# Altium PCB FMC_ADC_130M_16B_4CH.PcbDoc (part 1 of 8) (continued)
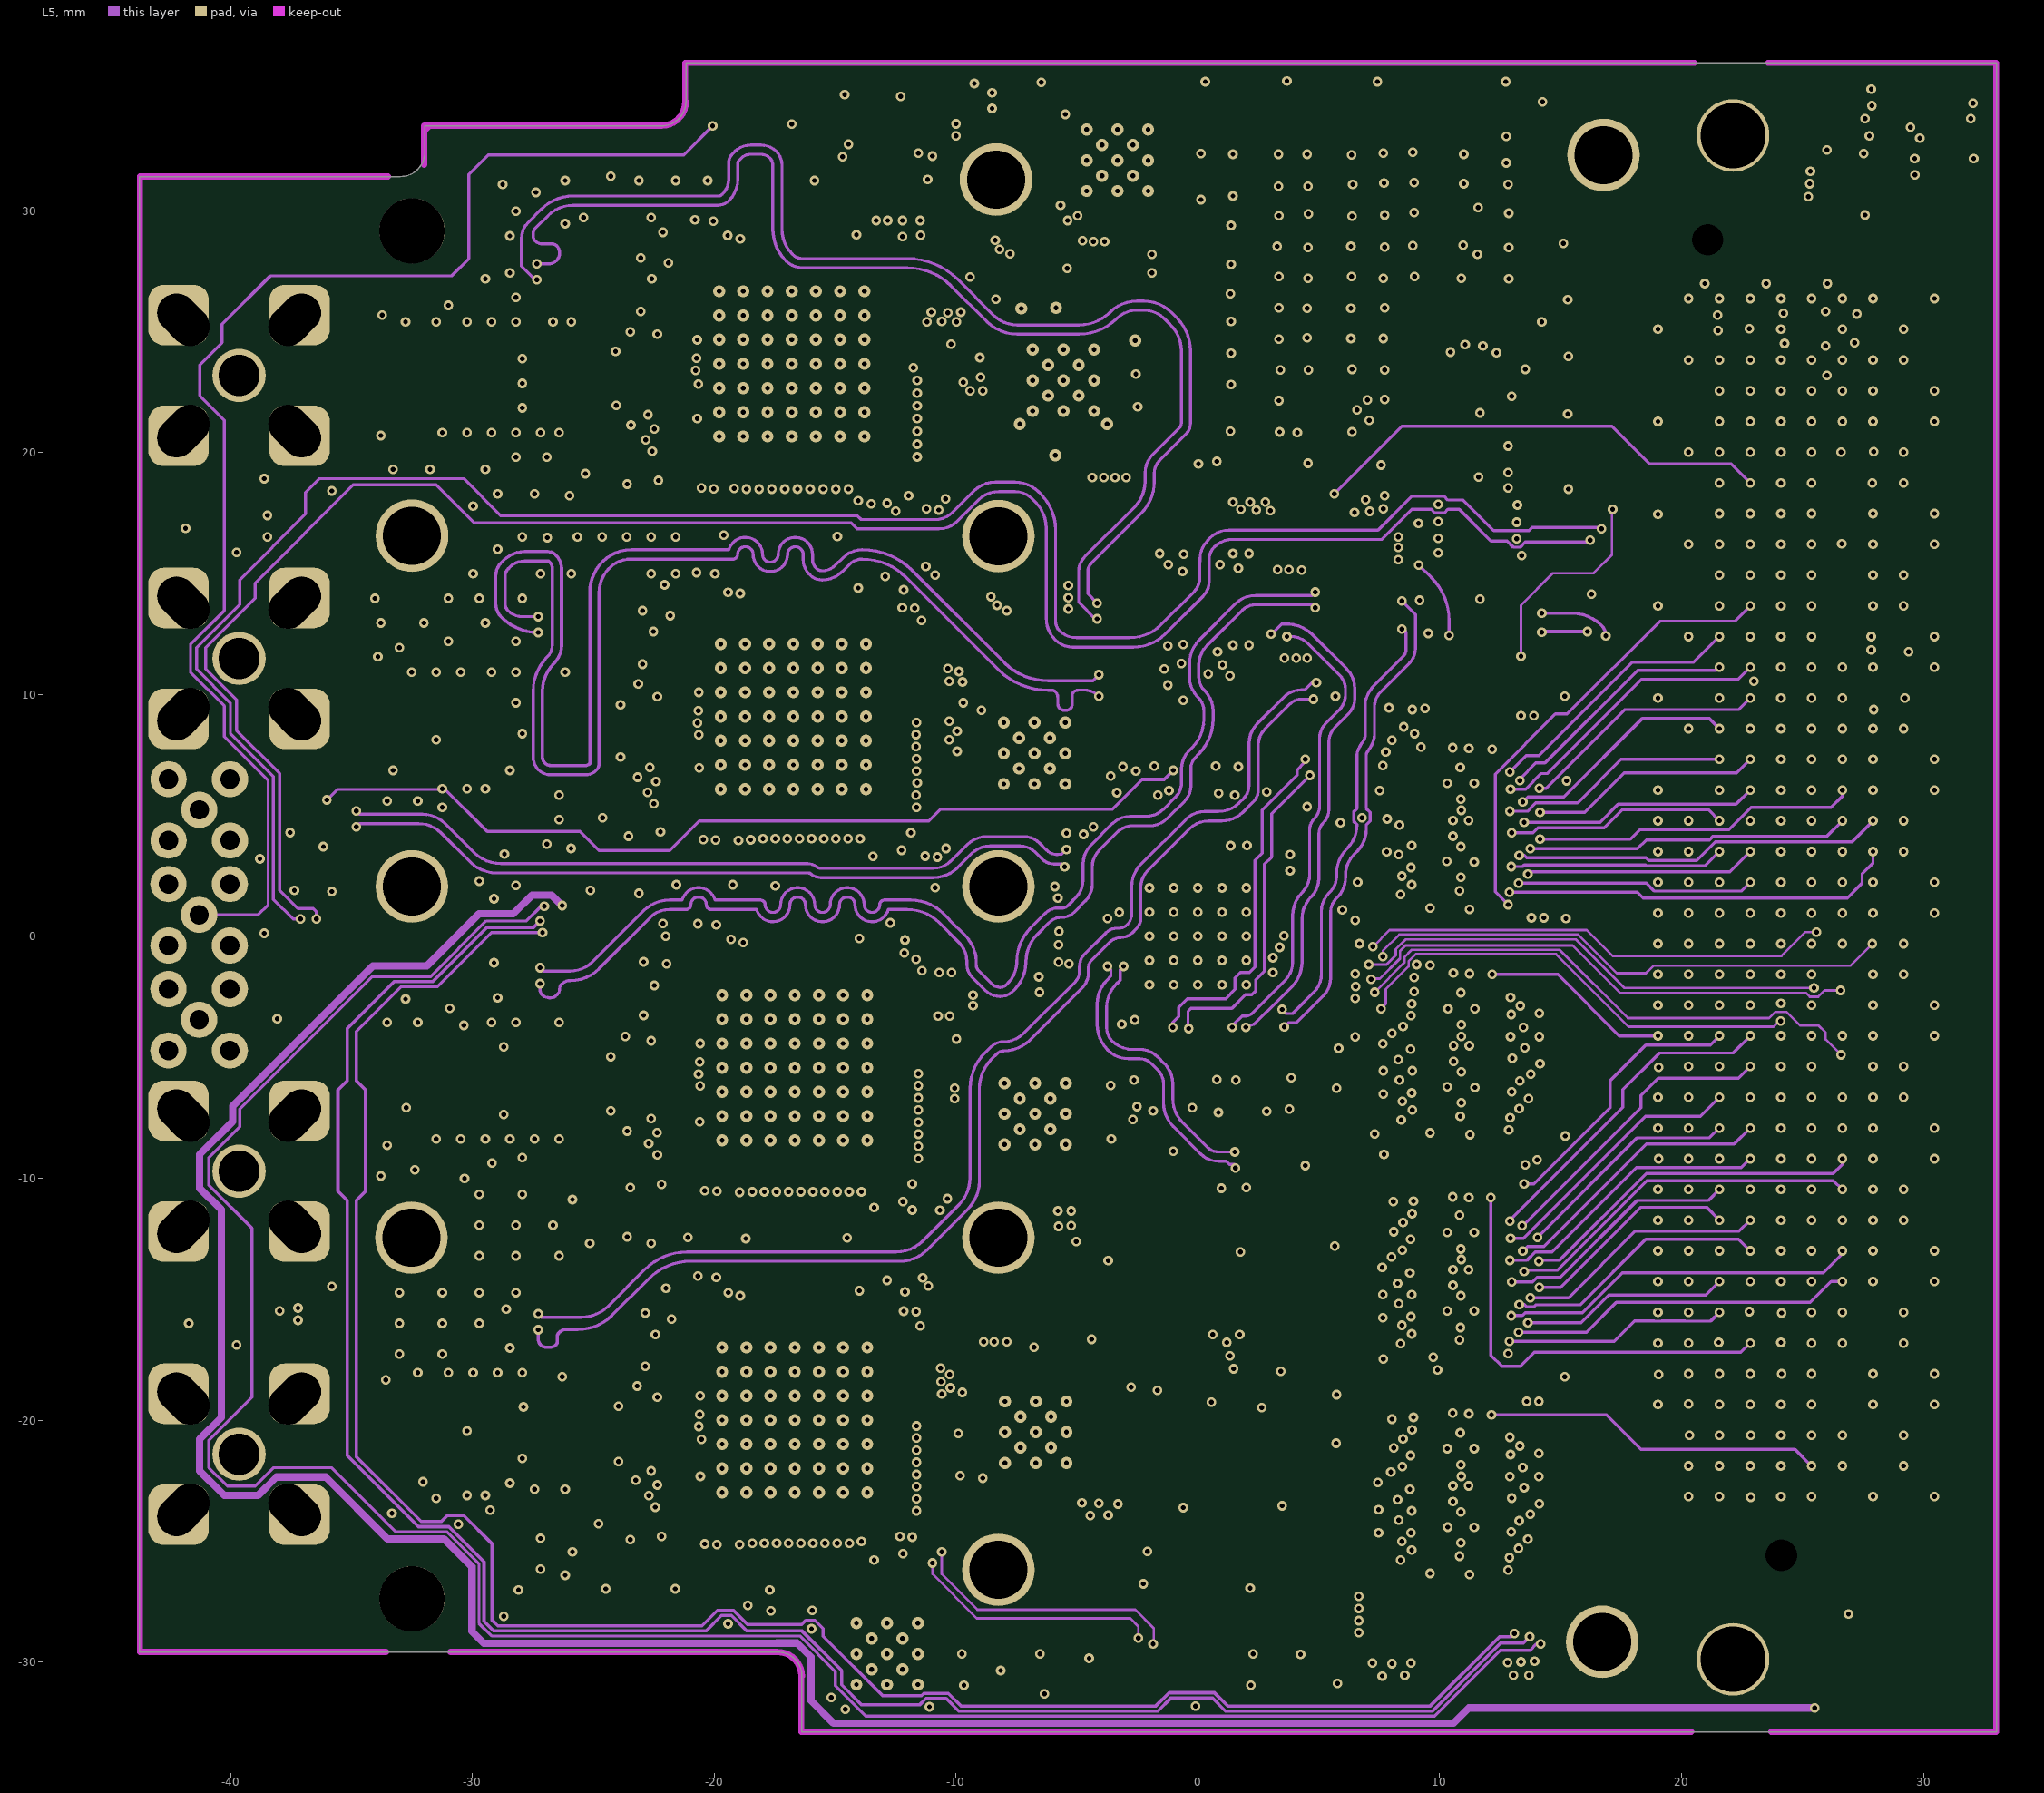
[diagram p5: L5]
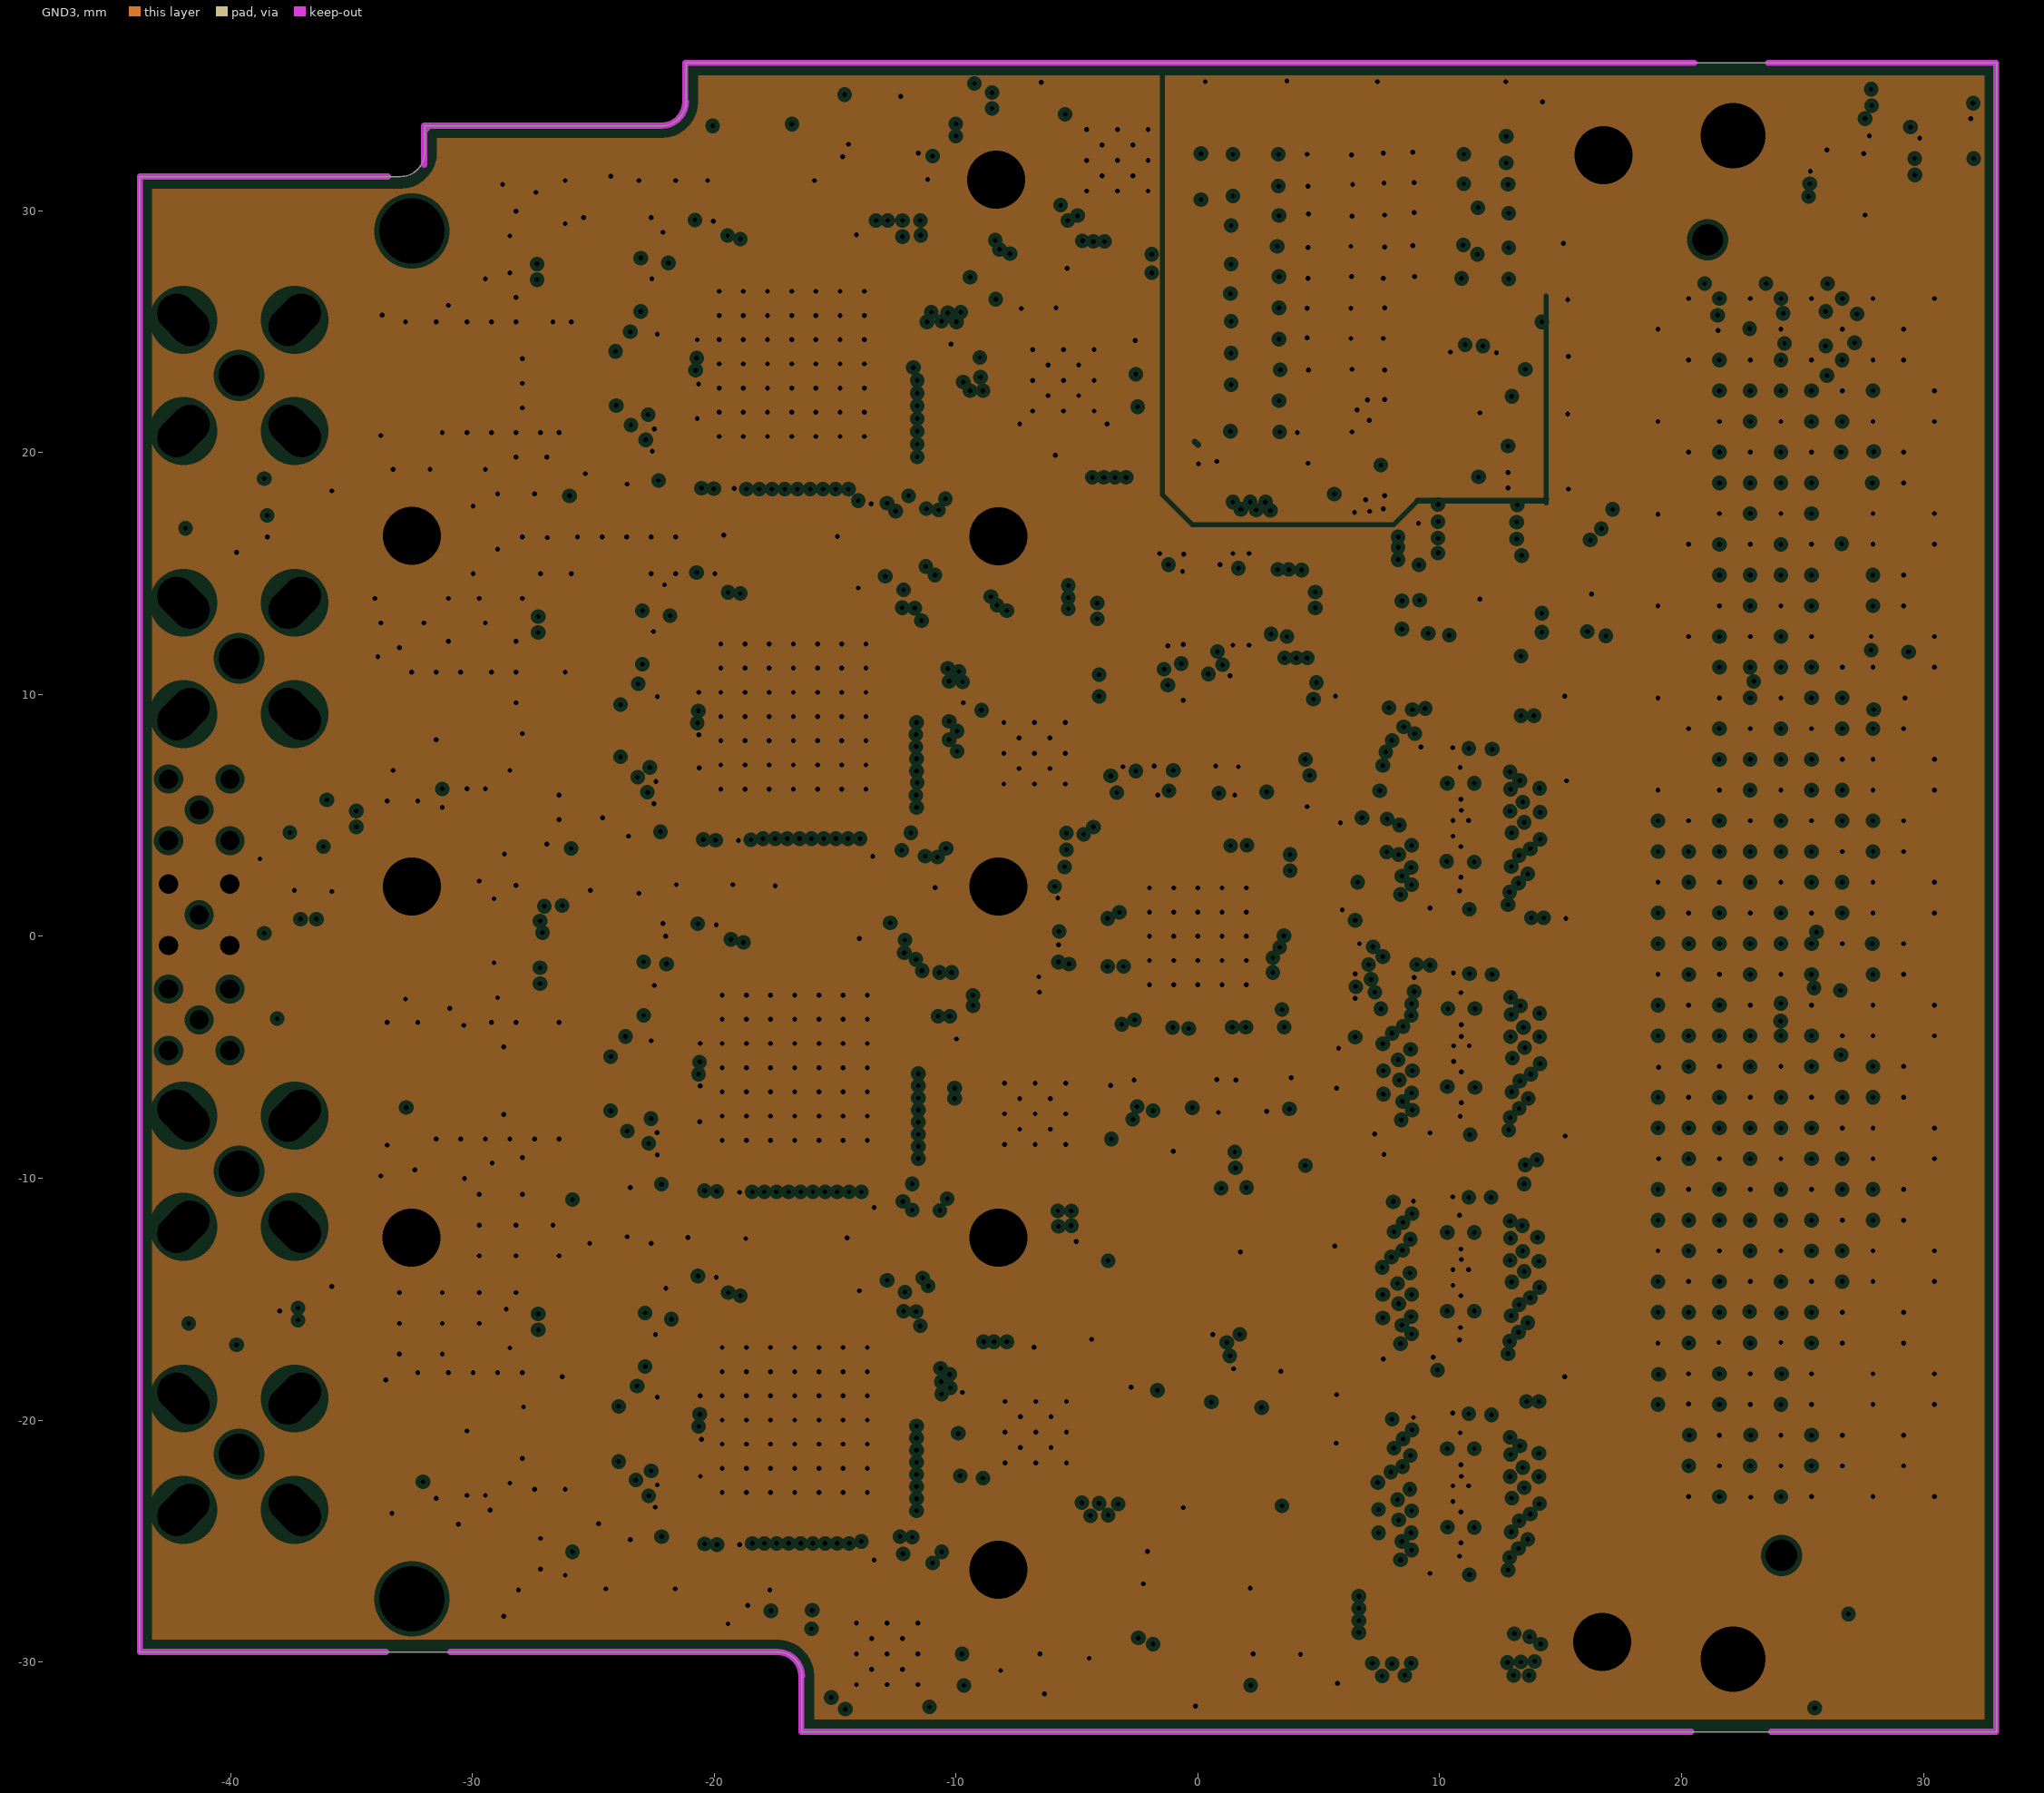
[diagram p6: GND3, clearances drawn from the general rule]
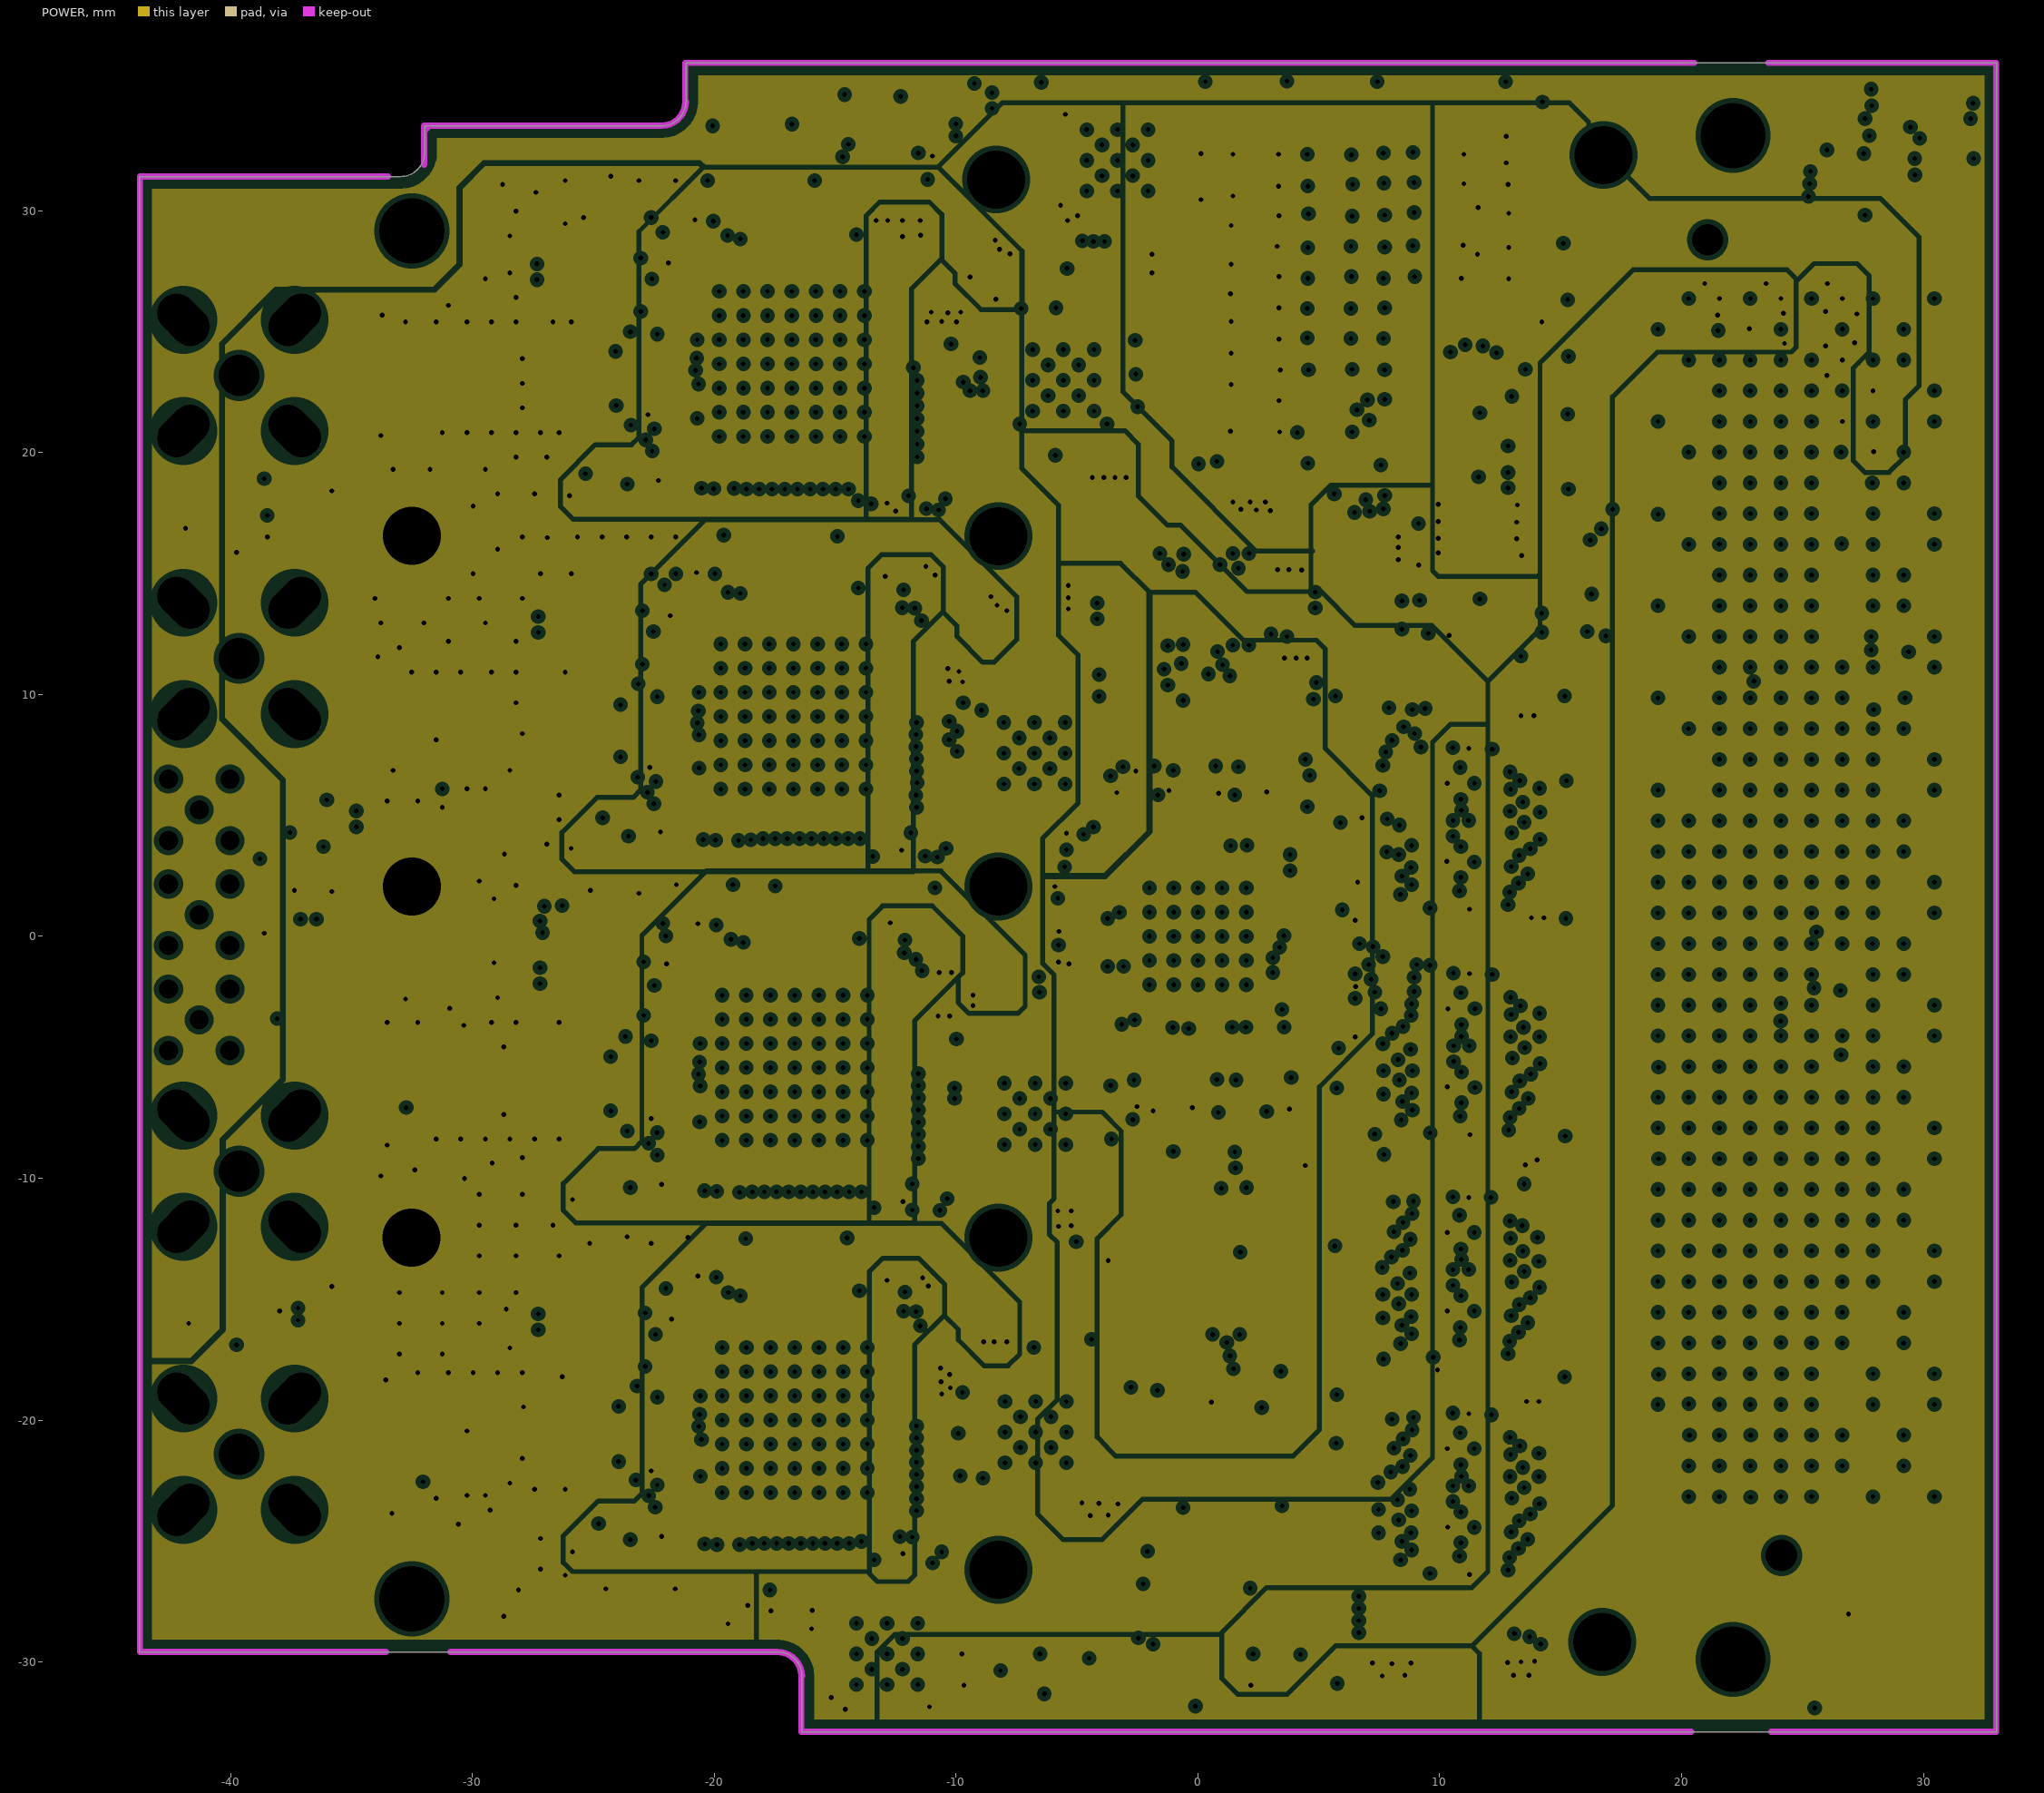
[diagram p7: POWER, clearances drawn from the general rule]
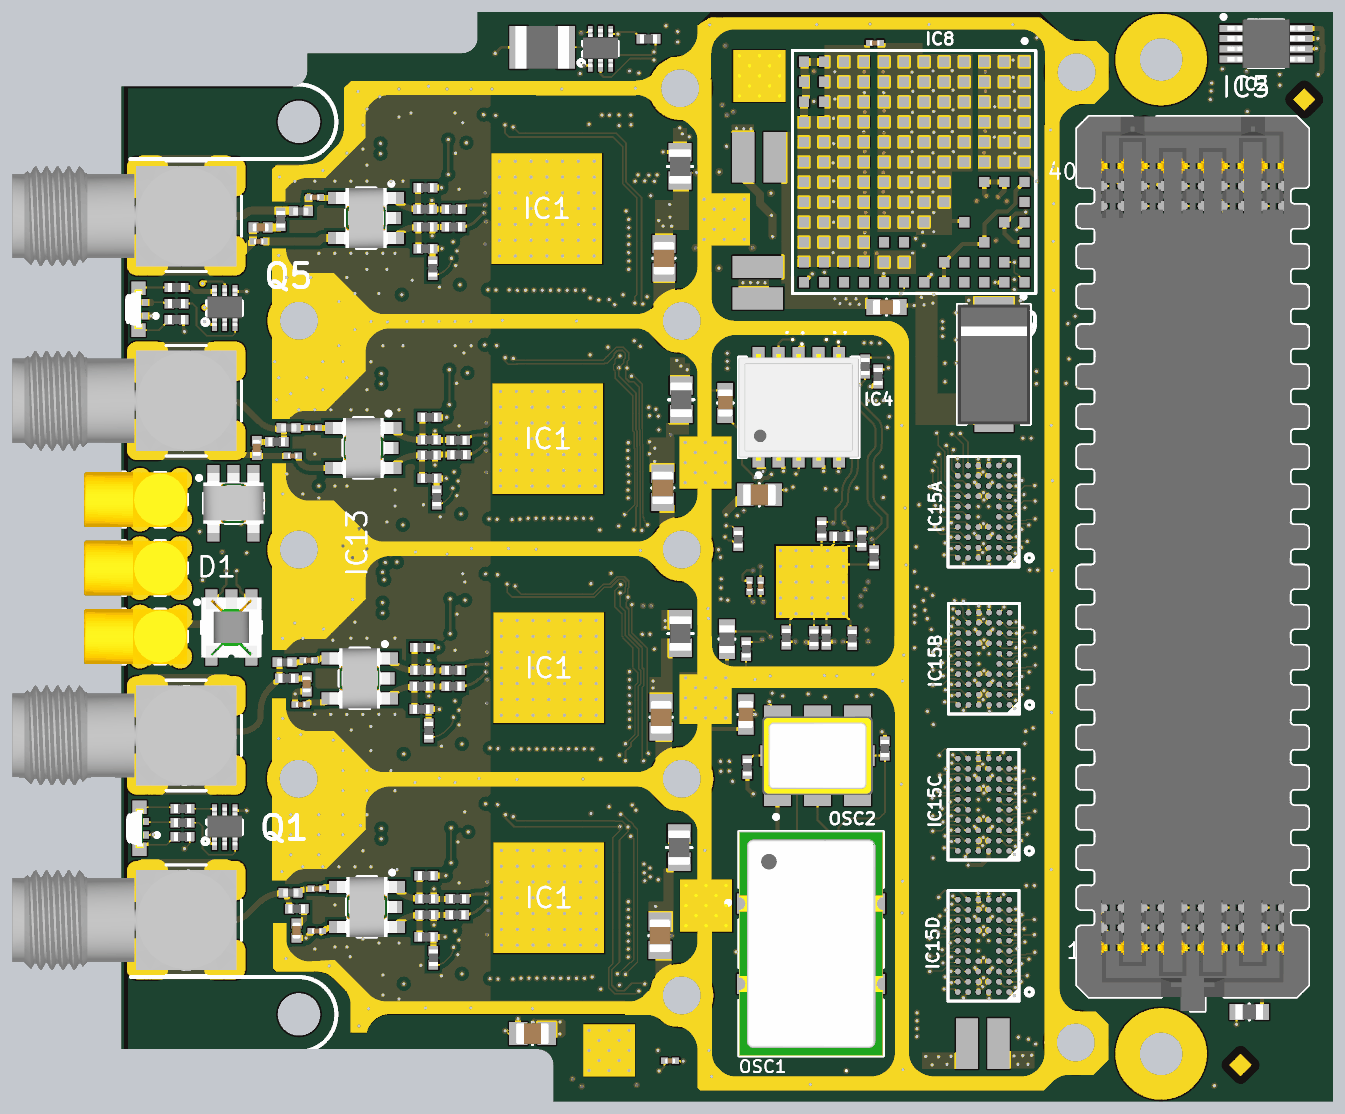
[diagram p15: 3D render of the assembled board from above, using the file's embedded part models]
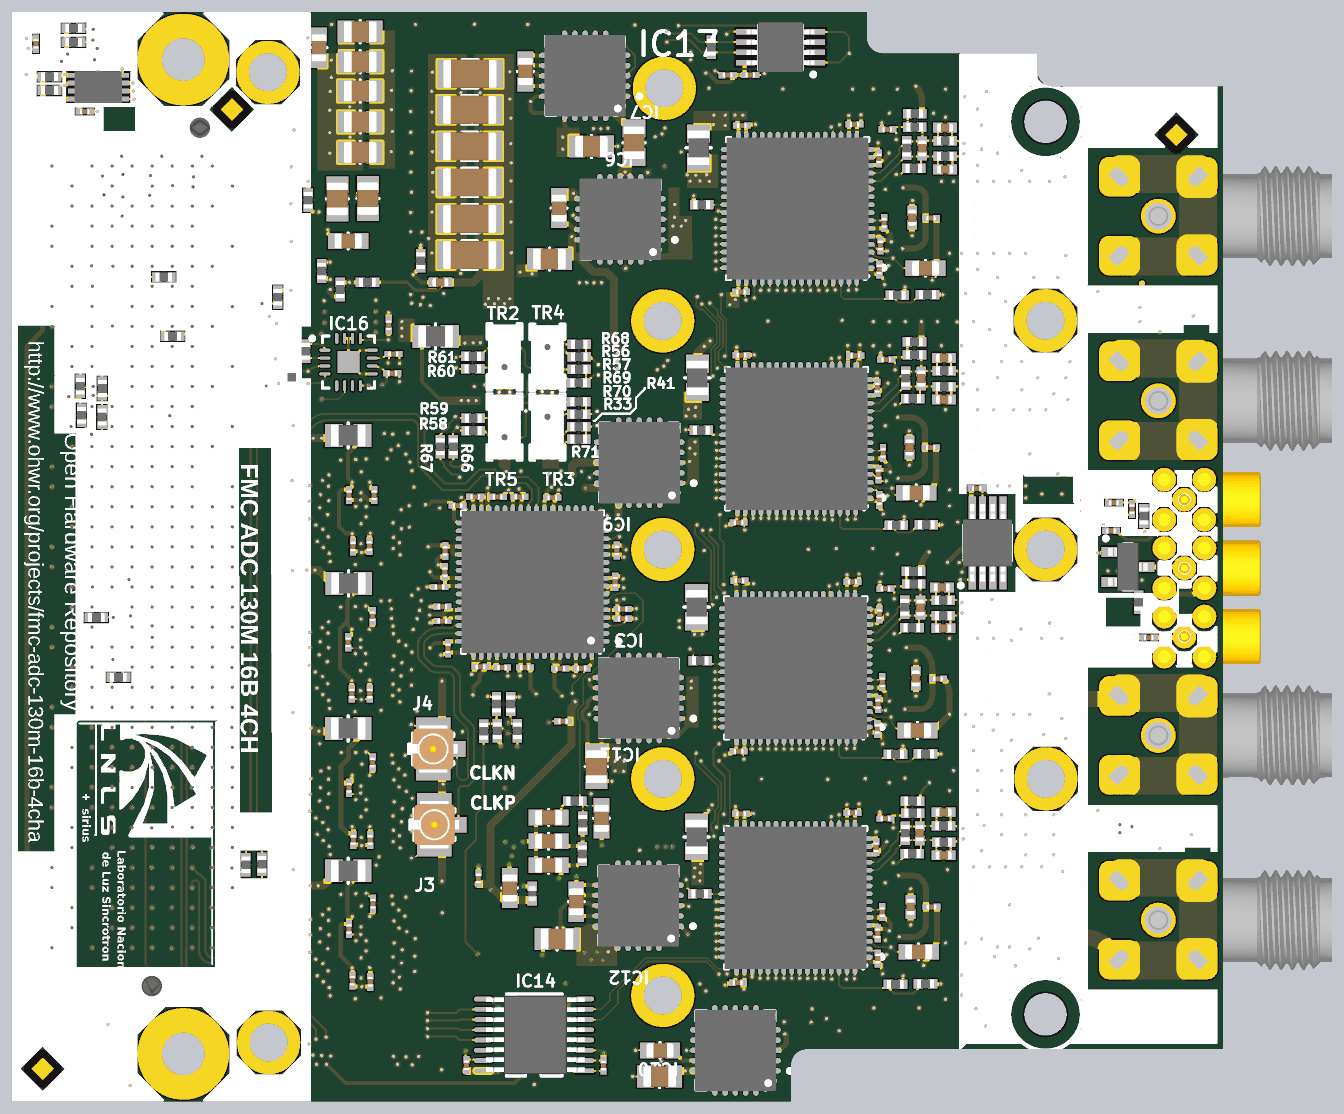
[diagram p16: 3D render of the assembled board from below, using the file's embedded part models]

## Layer stack, top to bottom
Top Layer: signal copper 0.035
Dielectric: prepreg 0.11, FR-4, Dk 4.8
GND1: plane copper 0.018, net GND
Dielectric: core 0.1, FR-4, Dk 4.8
L3: signal copper 0.018
Dielectric: prepreg 0.29, FR-4, Dk 4.8
GND2: plane copper 0.035, net GND
Dielectric: core 0.1, FR-4, Dk 4.8
L5: signal copper 0.035
Dielectric: prepreg 0.29, FR-4, Dk 4.8
GND3: plane copper 0.018, net GND
Dielectric: core 0.1, FR-4, Dk 4.8
POWER: plane copper 0.035, net (Multiple Nets)
Dielectric: prepreg 0.11, FR-4, Dk 4.8
Bottom Layer: signal copper 0.035

## Board outline
-43.756,-29.59 -43.756,31.41 -32.972,31.41 ccw(c-32.972,32.41) -31.972,32.41 -31.972,33.51 -22.172,33.51 ccw(c-22.172,34.51) -21.172,34.51 -21.172,36.11 33.028,36.11 33.028,-32.89 -16.372,-32.89 -16.372,-30.59 ccw(c-17.372,-30.59) -17.372,-29.59

## Design rules (kind name [scope] priority, off if disabled: settings)
AcuteAngle [All] p1: minimum=4.50000000000000E+0001 checktracksonly=FALSE
AssemblyTestPointUsage [All] p1 off:
AssemblyTestpoint [All] p1 off: testpointundercomponent=TRUE minsize=1.016 maxsize=2.54 preferedsize=1.524 minholesize=0 maxholesize=1.016 preferedholesize=0.813 testpointgrid=0.025 usegrid=TRUE gridtolerance=0 allowsidetop=TRUE allowsidebottom=TRUE
Clearance "Clearance_gnd l3" [(InNamedPolygon('gnd L3'))] p1: gap=0.381
Clearance "Clearance_poly gnd" [(InNamedPolygon('Top Layer-No Net') AND InNet('GND'))] p2: gap=0.254
Clearance Clearance_1 [InNet('EXT_CLK_IN') vs InNetClass('Power')] p3 off: gap=0.254
Clearance Clearance_trou [InNetClass('ADC_data') vs InNetClass('ADC_data')] p4 off: gap=0.102
Clearance [All] p5: gap=0.076
ComponentClearance NO_DRC [InComponentClass('NO_DRC')] p1 off: gap=0 collisioncheckmode=3 verticalgap=2540 showdistances=FALSE
ComponentClearance [All] p2 off: gap=0.025 collisioncheckmode=3 verticalgap=2540 showdistances=FALSE
DiffPairsRouting [All] p1: maxlimit=0.305 minlimit=0.203 mostfreqgap=0.254 maxuncoupledlength=15.24
FabricationTestPointUsage TestPointUsage [All] p1 off: valid=0 allowmultiple=FALSE
FabricationTestpoint Testpoint [All] p1 off: side=3 testpointundercomponent=TRUE minsize=1.016 maxsize=2.54 preferedsize=1.524 minholesize=0 maxholesize=1.016 preferedholesize=0.813 testpointgrid=0.025 allowsidetop=TRUE allowsidebottom=TRUE usegrid=TRUE gridtolerance=0
FanoutControl Fanout_BGA [IsBGA] p1 off: bgadir=Out bgaviamode=Centered fanoutstyle=Auto fanoutdirection=Alternating viagrid=0.025 // Fanout_BGA (Default Rule)
FanoutControl Fanout_LCC [IsLCC] p2 off: bgadir=Out bgaviamode=Centered fanoutstyle=Auto fanoutdirection=Alternating viagrid=0.025 // Fanout_LCC (Default Rule)
FanoutControl Fanout_SOIC [IsSOIC] p3 off: bgadir=Out bgaviamode=Centered fanoutstyle=Auto fanoutdirection=Alternating viagrid=0.025 // Fanout_SOIC (Default Rule)
FanoutControl Fanout_Small [(CompPinCount < 5)] p4 off: bgadir=Out bgaviamode=Centered fanoutstyle=Auto fanoutdirection=OutThenIn viagrid=0.025 // Fanout_Small (Default Rule)
FanoutControl Fanout_Default [All] p5 off: bgadir=Out bgaviamode=Centered fanoutstyle=Auto fanoutdirection=Alternating viagrid=0.025 // Fanout_Default (Default Rule)
Height Height_Top [OnTop] p1 off: minheight=0 maxheight=9.398 prefheight=8.89
Height Height_Bot [OnBottom] p2 off: minheight=0 maxheight=1.473 prefheight=1.321
HoleSize [All] p1: absolutevalues=TRUE maxlimit=25.4 minlimit=0.2 maxpercent=80.000 minpercent=20.000
HoleToHoleClearance [All] p1: gap=0.127 allowstackedmicrovias=TRUE
MinimumAnnularRing [All] p1: minimumring=0.1
MinimumSolderMaskSliver [All] p1 off: minsoldermaskwidth=0.025
PlaneClearance [All] p1: clearance=0.203
PlaneConnect Vias_Plane [IsVia] p1: planeconnectstyle=Direct reliefexpansion=0.508 reliefentries=4 reliefconductorwidth=0.254 reliefairgap=0.254
PlaneConnect [All] p2: planeconnectstyle=Relief reliefexpansion=0.203 reliefentries=4 reliefconductorwidth=0.254 reliefairgap=0.203
PolygonConnect Direc [InPadClass(Direc)] p1: connectstyle=Direct reliefconductorwidth=0.254 reliefentries=4 polygonreliefangle="90 Angle" airgapwidth=0.254
PolygonConnect Vias [IsVia] p2: connectstyle=Direct reliefconductorwidth=0.254 reliefentries=4 polygonreliefangle="90 Angle" airgapwidth=0.254
PolygonConnect [All] p3: connectstyle=Direct reliefconductorwidth=0.406 reliefentries=4 polygonreliefangle="90 Angle" airgapwidth=0.254
RoomDefinition U_ADC2 [InComponentClass('U_ADC2')] p1 off: confinementstyle=ConfineIn formatcopy=TRUE lockcomponents=FALSE outline -33.357,2.388 -7.195,2.388 -7.195,16.281 -33.357,16.281
RoomDefinition U_ADC1 [InComponentClass('U_ADC1')] p2 off: confinementstyle=ConfineIn formatcopy=TRUE lockcomponents=FALSE outline -33.426,16.967 -7.264,16.967 -7.264,30.861 -33.426,30.861
RoomDefinition U_BUFFER4 [InComponentClass('U_BUFFER4')] p3 off: confinementstyle=ConfineIn formatcopy=TRUE lockcomponents=FALSE outline 7.899,-27.051 14.554,-27.051 14.554,-16.916 7.899,-16.916
RoomDefinition U_BUFFER3 [InComponentClass('U_BUFFER3')] p4 off: confinementstyle=ConfineIn formatcopy=TRUE lockcomponents=FALSE outline 7.899,-18.11 14.554,-18.11 14.554,-7.976 7.899,-7.976
RoomDefinition U_BUFFER2 [InComponentClass('U_BUFFER2')] p5 off: confinementstyle=ConfineIn formatcopy=TRUE lockcomponents=FALSE outline 7.899,-8.865 14.554,-8.865 14.554,1.27 7.899,1.27
RoomDefinition U_BUFFER1 [InComponentClass('U_BUFFER1')] p6 off: confinementstyle=ConfineIn formatcopy=TRUE lockcomponents=FALSE outline 7.899,0.457 14.554,0.457 14.554,10.592 7.899,10.592
RoomDefinition U_ADC4 [InComponentClass('U_ADC4')] p7 off: confinementstyle=ConfineIn formatcopy=TRUE lockcomponents=FALSE outline -33.302,-26.695 -7.14,-26.695 -7.14,-12.802 -33.302,-12.802
RoomDefinition U_ADC3 [InComponentClass('U_ADC3')] p8 off: confinementstyle=ConfineIn formatcopy=TRUE lockcomponents=FALSE outline -33.305,-12.13 -7.143,-12.13 -7.143,1.763 -33.305,1.763
RoomDefinition "Trigger and leds" [InComponentClass('Trigger and leds')] p9 off: confinementstyle=ConfineIn formatcopy=TRUE lockcomponents=FALSE outline -24.181,27.813 -7.061,27.813 -7.061,35.839 -24.181,35.839
RoomDefinition PS [InComponentClass('PS')] p10 off: confinementstyle=ConfineIn formatcopy=TRUE lockcomponents=FALSE outline -14.326,-33.172 4.166,-33.172 4.166,36.297 -14.326,36.297
RoomDefinition J1 [InComponentClass('J1')] p11 off: confinementstyle=ConfineIn formatcopy=TRUE lockcomponents=FALSE outline 34.143,29.637 16.281,29.637 16.281,-26.34 34.143,-26.34
RoomDefinition FMC_130MSPS_4CH [InComponentClass('FMC_130MSPS_4CH')] p12 off: confinementstyle=ConfineIn formatcopy=TRUE lockcomponents=FALSE outline 12.065,22.047 32.385,22.047 32.385,35.535 12.065,35.535
RoomDefinition EEPROM [InComponentClass('EEPROM')] p13 off: confinementstyle=ConfineIn formatcopy=TRUE lockcomponents=FALSE outline 20.396,35.839 34.214,35.839 34.214,-31.369 20.396,-31.369
RoomDefinition ClK [InComponentClass('ClK')] p14 off: confinementstyle=ConfineIn formatcopy=TRUE lockcomponents=FALSE outline -9.652,-32.168 7.671,-32.168 7.671,18.542 -9.652,18.542
RoutingCorners [All] p1 off: cornerstyle=45-Degree minsetback=2.54 maxsetback=2.54
RoutingLayers [All] p1 off: top layer_v5=TRUE mid layer 1_v5=TRUE mid layer 2_v5=TRUE bottom layer_v5=TRUE
RoutingVias [All] p1: holewidth=0.2 width=0.4 viastyle="Through Hole" minholewidth=0.2 minwidth=0.4 maxholewidth=3 maxwidth=5
ShortCircuit SMA_1 [InPadClass('SMA')] p2: allowed=TRUE
SilkToSilkClearance [All] p1 off: silktosilkclearance=0.051
SilkToSolderMaskClearance SilkscreenOverComponentPads [IsPad] p1 off: minsilkscreentomaskgap=0.051 clearancetoexposedcopper=TRUE
SolderMaskExpansion [All] p1: expansion=0.102
ViasUnderSMD ViasUnderSMD_allow [InComponent('IC1A')   or InComponent('IC1B') or        InComponent('IC1C')   or InComponent('IC1D') or InComponent('IC6')   or InComponent('IC7') or InComponent('IC9')   or InComponent('IC10') or InComponent('IC11')   or InComponent('IC12') or InComponent('IC15A')     or InComponent('IC15B') or InComponent('IC15C') or InComponent('IC15D')  or InComponent('IC16')  or InComponent('IC3')] p1: allowed=TRUE
ViasUnderSMD [All] p2: allowed=FALSE
Width Width_1 [InNetClass('Buff_data')] p1 off: maxlimit=0.162 minlimit=0.095 preferedwidth=0.135 toplayer_minwidth=0.111 midlayer1_maxwidth=0.156 midlayer1_prefwidth=0.123 midlayer2_minwidth=0.098 midlayer2_maxwidth=0.161 midlayer2_prefwidth=0.127 bottomlayer_minwidth=0.111 minimp=45.000000 maximp=55.000000 favimp=50.000000
Width Width_3 [(InNet('RF1') OR InNet('RF2') OR InNet('RF3') OR InNet('RF4') OR InNet('RF5') OR InNet('RF6') OR InNet('RF7') OR InNet('EXT_CLK_IN'))] p2 off: maxlimit=0.145 minlimit=0.105 preferedwidth=0.135 toplayer_minwidth=0.12 midlayer1_maxwidth=0.135 midlayer1_prefwidth=0.123 midlayer2_minwidth=0.109 midlayer2_maxwidth=0.139 midlayer2_prefwidth=0.127 bottomlayer_minwidth=0.12 minimp=48.000000 maximp=53.000000 favimp=50.000000
Width Width_Pair_Diff [(InDifferentialPairClass('All Differential Pairs'))] p3: maxlimit=0.145 minlimit=0.095 preferedwidth=0.135 toplayer_minwidth=0.102 midlayer1_maxwidth=0.135 midlayer1_prefwidth=0.123 midlayer2_minwidth=0.098 midlayer2_maxwidth=0.139 midlayer2_prefwidth=0.127 bottomlayer_minwidth=0.102 minimp=48.000000 maximp=55.000000 favimp=50.000000
Width [All] p4: maxlimit=3.508 minlimit=0.076 preferedwidth=0.254 midlayer1_maxwidth=2.54 midlayer2_maxwidth=0.508 bottomlayer_maxwidth=2.54 minimp=45.000000 maximp=110.000000 favimp=100.000000 checkconnectedcopper=TRUE
7 further rules are at their usual default settings.
